# Altium PCB PCB_CAR.PcbDoc (part 2 of 3)
Units mil, origin at the board's own origin, x right, y up, seen from the top; angles counter-clockwise.
Board outline 3935 x 3900 mil, 4 copper layers (Top Layer, GND, PWR, Bottom Layer), stack 23.756 mil thick; 301 components, 202 nets, 1108 pads, 579 vias.
Unrouted connection lines stored in the file: 7.
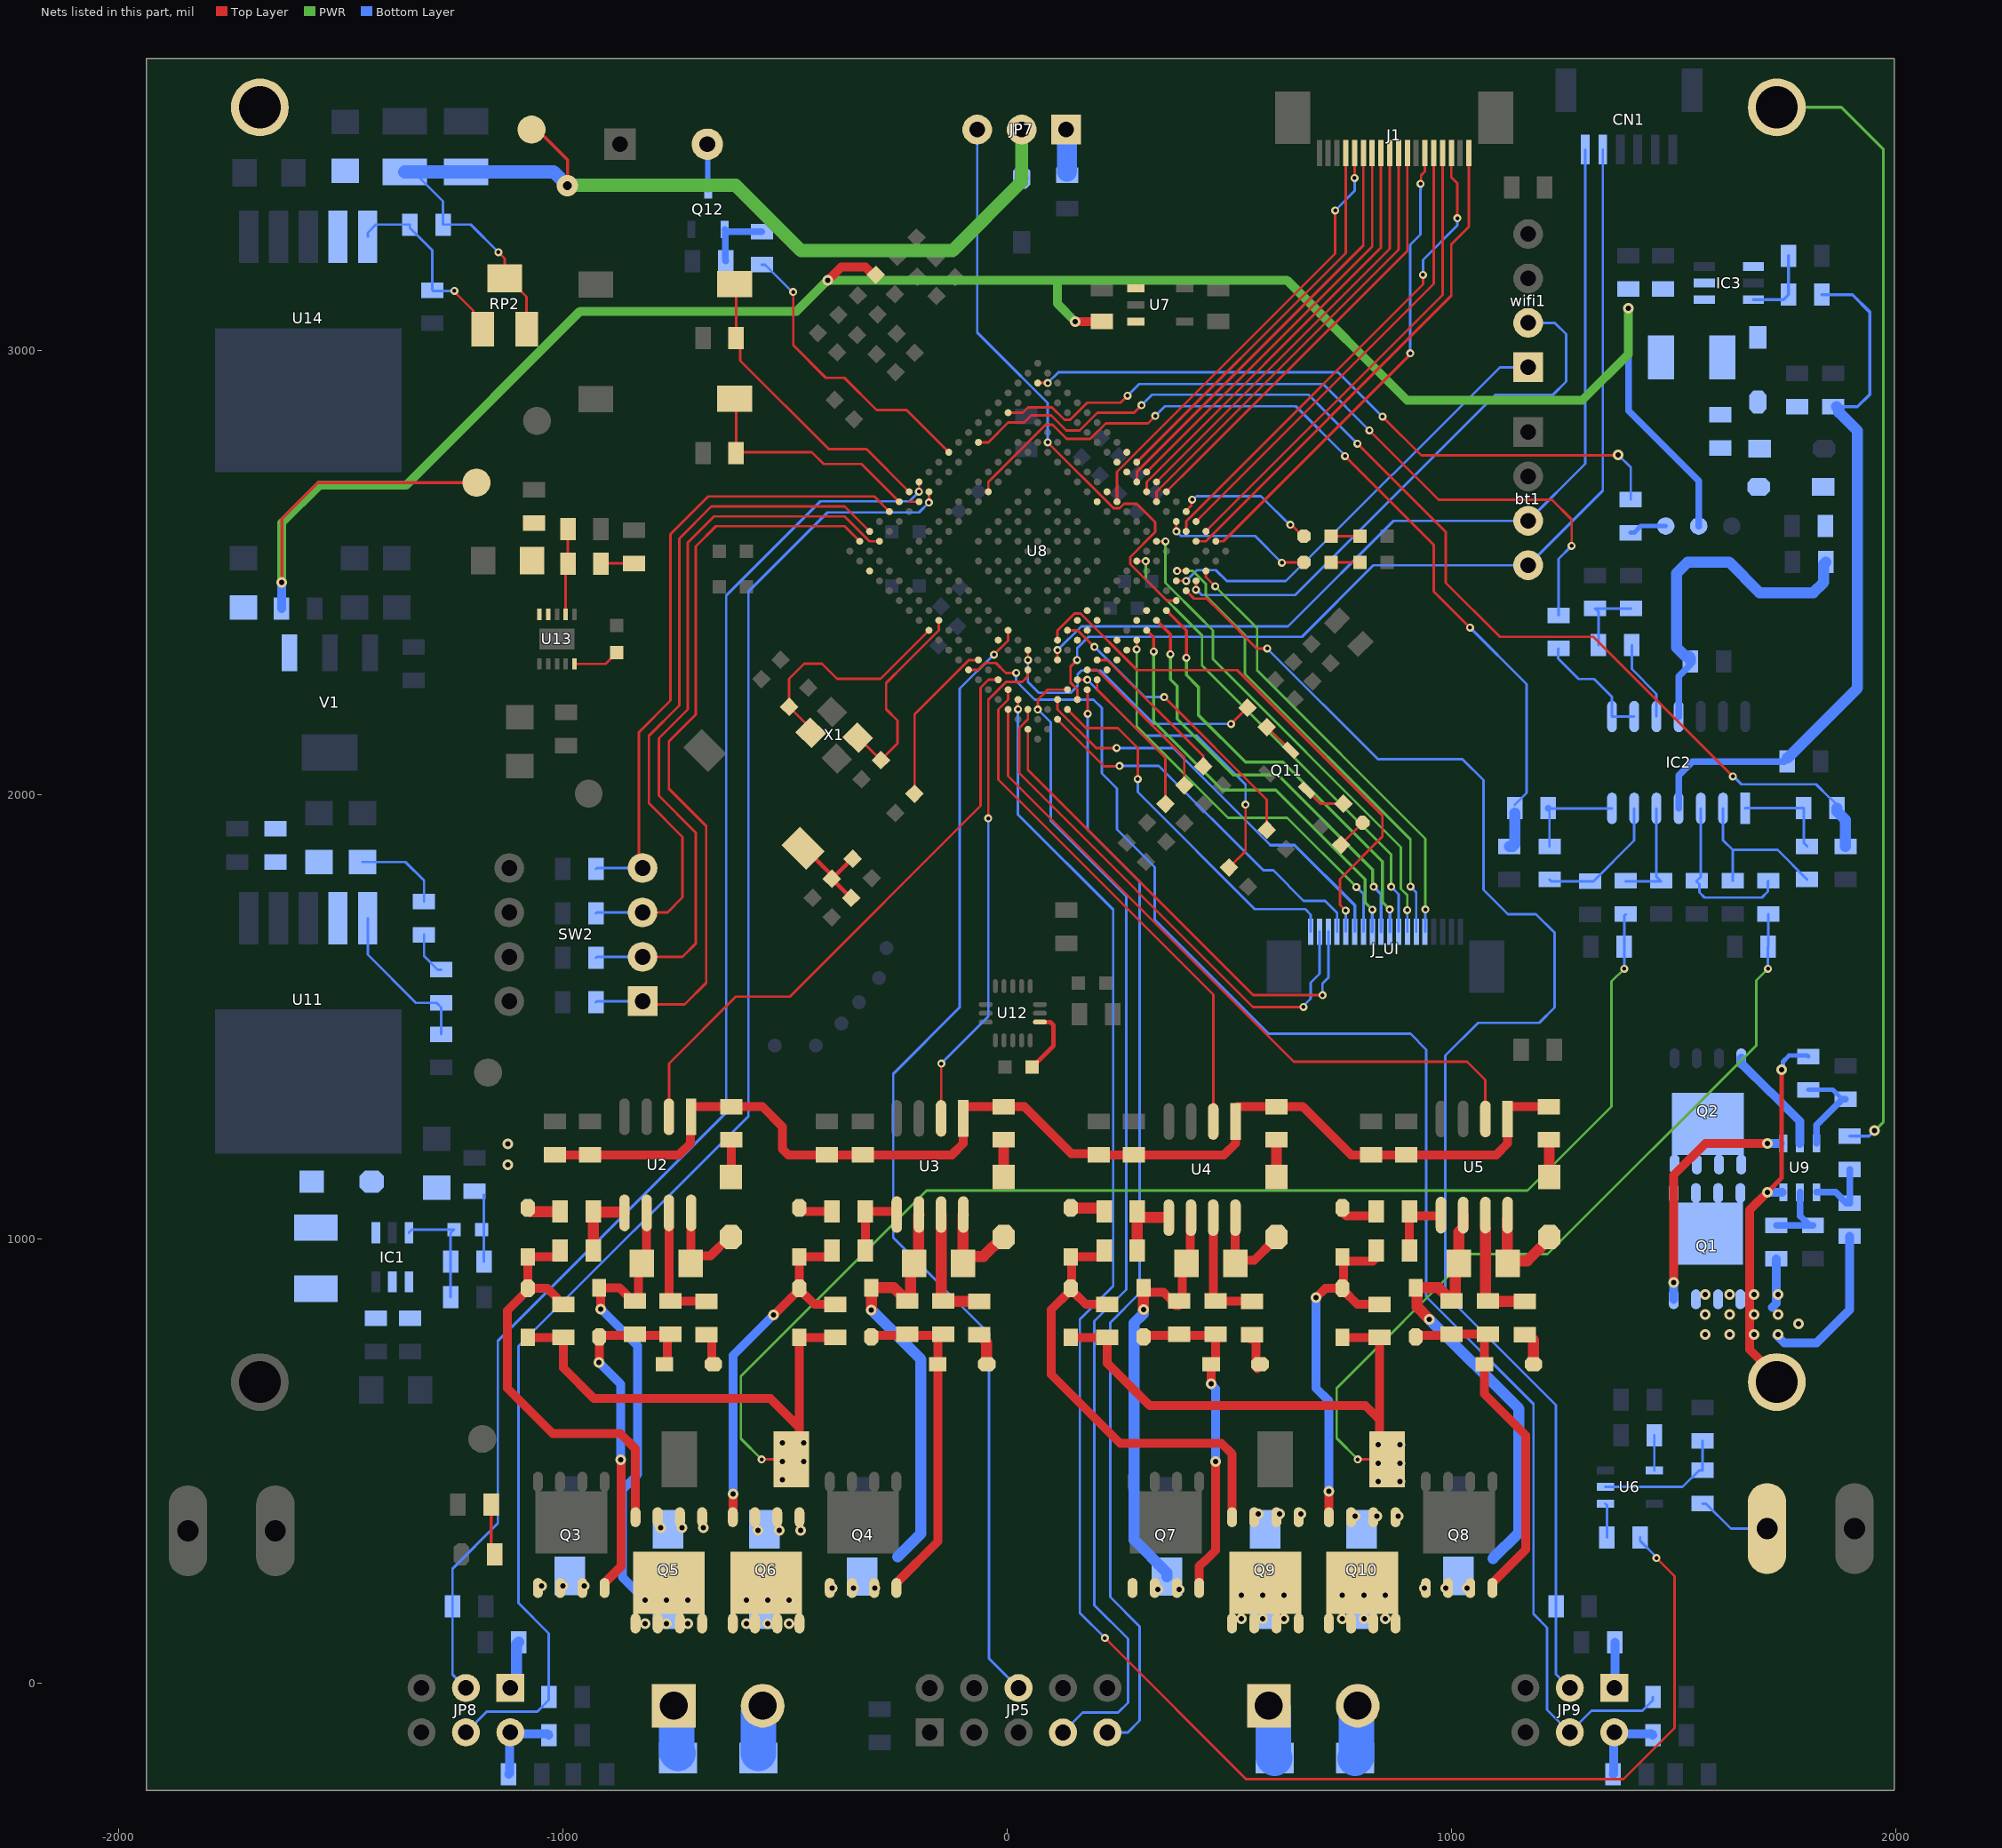
[diagram p4: the nets of this part, all layers, seen from the top]

## Via types
v1: diameter 24, hole 12, Top Layer to Bottom Layer, 415 vias
v2: diameter 18, hole 9, Top Layer to Bottom Layer, 163 vias
v3: diameter 48, hole 20, Top Layer to Bottom Layer, 1 vias

## Nets (pads, with @x,y where several pads share a name; then routed paths per layer and width w, separated by ;. In a path a pad name is that pad's centre, name@x,y a point inside that pad or via, vN(x,y) a via of type N, cw(c..) or ccw(c..) an arc to the next point about the centre after c; other vN are vias at no path point) (continued)
+5V: 5V.1 C35.1 C36.2 C37.2 C71.1 C72.1 IC3.4 IC3.5 L1.2 LB2.1 LB4.1 U7.1 U7.3 V1.1 | length 5177.3
  Top Layer w7: v1(-1633.58,2478.1) -1633.58,2621.66 -1552.34,2702.9 5V.1@-1195.34,2702.9
  Top Layer w20: v1(-404.72,3159.02) -403.64,3159.02 -374.51,3188.15 -319.37,3188.15 -301.9,3170.68 LB2.1@-296.44,3170.68 ; v1(152.73,3065.74) C35.1@212.07,3065.73
  PWR w20: v1(-1633.58,2478.1) -1633.58,2612.42 -1549,2697 -1354,2697 -962,3089 -474.75,3089 v1(-404.72,3159.02) 112.13,3159.02 ; v1(152.73,3065.74) 112.13,3106.34 112.13,3159.02 ; v1(1398.1,3095.45) 1398.1,2992.4 1294.03,2888.33 899.67,2888.33 628.98,3159.02 112.13,3159.02
  Bottom Layer w15: v1(1398.1,3095.45) 1398.1,2865.08 1556.21,2706.97 5V.1@1556.21,2605.38
  Bottom Layer w20: C37.2@-1633.88,2419.62 -1633.73,2419.77 -1633.73,2477.96 v1(-1633.58,2478.1)
+6V: 6V.1 C6.1 C7.2 C79.2 D28.2 JP7.2 RP2.2 RP2.3 RSL1.1 U14.4 | length 2407.3
  Top Layer w5.7: v2(-1145.97,3221.64) -1131.67,3207.34 RP2.2@-1131.67,3162.58 -1123.8,3162.58 -1082.46,3121.25 RP2.3@-1082.46,3048.41
  Top Layer w7: 6V.1@-1055.83,3495.23 -990.23,3429.63 v3(-990.23,3371.27)
  PWR w30: v3(-990.23,3371.27) -989.3,3372.2 -611.7,3372.2 -464.79,3225.28 -123.64,3225.28 32,3380.91 JP7.2@32,3498
  Bottom Layer w5.7: C7.2@-1337,3402.91 -1270.6,3336.51 RSL1.1@-1270.6,3284 -1208.32,3284 v2(-1145.97,3221.64)
  Bottom Layer w25: JP7.2@32,3498 32,3391.98 D28.2@35,3388.98
  Bottom Layer w30: C7.2@-1357,3402.91 -1337,3402.91 -1021.88,3402.91 v3(-990.23,3371.27)
+10V: C3.2 C12.1 C34.1 D3.2 IC2.4 R86.1 | length 1613.7
  Bottom Layer w7: R86.1@1833.31,3126.38 1902.1,3126.38 1940.9,3087.57 1940.9,2901.38 1913.5,2873.97 1866.81,2873.97 C34.1@1859.31,2873.97
  Bottom Layer w15: IC2.4@1511,1969.65 1511,2043.74 1542.22,2074.97 1747.96,2074.97 C3.2@1755.46,2082.47
  Bottom Layer w25: C3.2@1755.46,2082.47 1913.5,2240.5 1913.5,2819.79 1871.81,2861.47 1871.81,2868.97 C34.1@1866.81,2873.97
+15V: C18.2 C19.2 C20.2 C21.2 C24.2 C25.2 C26.2 C27.2 C28.1 C29.1 C30.1 D27.2 R13.1 R14.1 R27.1 R28.1 R43.1 U2.1 U3.1 U4.1 U5.1 | length 2920.3
  Top Layer w20: C18.2@-1019,1189.6 C19.2@-939.61,1189.6 -739.4,1189.6 -713.81,1215.19 -713.81,1273.46 U2.1@-712,1275.27 -712,1296.25 -710.19,1298.06 R13.1@-621.88,1298.06 -551.89,1298.06 -507,1253.18 -507,1203 -493.6,1189.6 C21.2@-407,1189.6 C20.2@-326,1189.6 -124.92,1189.6 -99.33,1215.19 U3.1@-99.33,1271.66 -99.33,1296.25 -97.52,1298.06 38.02,1298.06 143.95,1192.14 203.46,1192.14 C25.2@206,1189.6 C24.2@285,1189.6 487.75,1189.6 513.33,1215.19 U4.1@513.33,1264.66 513.33,1294.19 517.21,1298.06 R27.1@605.37,1298.06 664.94,1298.06 773.4,1189.6 C27.2@819,1189.6 C26.2@897.39,1189.6 1100.53,1189.6 1126,1215.07 U5.1@1126,1270.27 1126,1296.25 1127.81,1298.06 R28.1@1219,1298.06
  Bottom Layer w5.7: R43.1@-1178.65,949.03 C29.1@-1178.65,1099.68
  other v1: -1124.43,1167.13 -1124.52,1214.13
-10V: C8.1 C10.1 C73.2 D1.1 IC2.11 | length 777.6
  Bottom Layer w15: IC2.11@1511,2176.34 1511,2266.71 1537.55,2293.27 C73.2@1537.55,2300.77
  Bottom Layer w25: C73.2@1537.55,2300.77 1537.55,2308.27 1532.55,2313.27 1525.05,2313.27 1506.69,2331.63 1506.69,2499.06 1531.68,2524.05 1624.53,2524.05 1693.25,2455.32 1814.1,2455.32 1837.56,2478.78 1837.56,2519.05 C8.1@1842.56,2524.05
ADC_IN1: C74.2 R62.1 U8.T10 | length 2019.7
  Top Layer w5.7: U8.T10@-43.07,2682.32 -43.07,2704.42 85.91,2833.41 101.38,2833.41 133.56,2801.23 186.06,2801.23 221.6,2836.77 316.63,2836.77 v2(332.9,2853.03) ; v2(759.69,2762.87) 959.69,2562.87 959.69,2457.76 1040.68,2376.78 v2(1041.29,2376.78)
  Bottom Layer w5.7: v2(332.9,2853.03) 354.87,2875 649,2875 759.69,2764.31 v2(759.69,2762.87) ; v2(1041.29,2376.78) 1168.96,2249.12 1168.96,2004.46 R62.1@1142,1977.5
  Bottom Layer w25: C74.2@1130,1884.25 1137,1884.25 1142,1889.25 R62.1@1142,1958.99
ADC_IN2: C78.2 R74.1 U8.W8 | length 2556.5
  Top Layer w5.7: U8.W8@-65.34,2793.68 -43.07,2793.68 1.47,2838.22 37.34,2838.22 53.84,2854.72 98.52,2854.72 132.71,2820.53 162.86,2820.53 202.82,2860.49 285.1,2860.49 v2(301.74,2877.13) ; v2(788.11,2790.82) 987,2591.93 987,2477.48 1108.48,2356 1318.77,2356 v2(1633.03,2041.74)
  Bottom Layer w5.7: v2(301.74,2877.13) 325.61,2901 677.93,2901 v2(788.11,2790.82) ; v2(1633.03,2041.74) 1634.36,2041.74 1652.3,2023.8 1820.32,2023.8 1851.97,1992.15 1853.02,1992.15 1867.67,1977.5 R74.1@1867.67,1970
  Bottom Layer w25: R74.1@1867.67,1970 1867.67,1962.5 1886.71,1943.45 C78.2@1886.71,1884.25
ADC_IN3: R6.1 U8.W5 | length 1672.7
  Top Layer w5.7: U8.W5@1.47,2860.49 34.3,2860.49 46.57,2872.76 100.08,2872.76 128.19,2844.64 140.95,2844.64 179.43,2883.12 254.59,2883.12 v2(270.14,2898.68) ; v2(814.92,2820.53) 970.89,2664.57 1225.57,2664.57 1270.12,2620.01 v2(1270.12,2560.91)
  Bottom Layer w5.7: v2(270.14,2898.68) 296.47,2925 710.46,2925 v2(814.92,2820.53) ; R6.1@1240.97,2404.4 1240.97,2531.76 v2(1270.12,2560.91)
ADC_IN4: R88.2 U8.W2 | length 1507.3
  Top Layer w5.7: U8.W2@68.28,2927.31 v2(90.55,2927.31) ; v2(844.27,2851.69) 931.43,2764.54 1373.49,2764.54 v1(1374.73,2765.77)
  Bottom Layer w5.7: v2(90.55,2927.31) 115.03,2951.78 744.19,2951.78 v2(844.27,2851.69) ; v1(1374.73,2765.77) 1403.17,2737.33 R88.2@1403.17,2664.89
ATOM1_CH3_P10_3: JP7.3 U8.A6 | length 1350.6
  Top Layer w5.7: v2(90.55,2793.68) 238.9,2645.33 240.89,2645.33 252.55,2645.33 262.8,2655.58 291.12,2655.58 332.7,2614 332.7,2591.85 276.27,2535.42 276.27,2519.41 358.34,2437.34 U8.A6@380.08,2437.34
  Bottom Layer w5.7: JP7.3@-68,3498 -68,3041.06 -28,3001.06 90.42,2882.64 v2@90.42,2793.81
ATOM1_CH5_P20_9: U3.2 U8.E17 | length 1111.9
  Top Layer w5.7: U3.2@-149.33,1271.66 -149.17,1271.82 -149.17,1395.03 v2(-149.02,1395.19) ; v2(-43.08,1947.25) -43.08,2214.1 -2.99,2254.18 33.28,2254.18 46.01,2266.91 U8.E17@46.01,2281.44
  Bottom Layer w5.7: v2(-149.02,1395.19) -43.08,1501.13 v2(-43.08,1947.25)
ATOM1_CH7_P15_4: J_UI.18 U8.A17 | length 835.6
  Top Layer w5.7: U8.A17@135.1,2192.36 177.01,2150.45 248.27,2150.45 293.52,2105.2 v2(293.52,2035.8)
  Bottom Layer w5.7: v2(293.52,2035.8) 293.52,2006.02 556.63,1742.91 670.35,1742.91 682.7,1730.57 J_UI.18@682.7,1691.93
ATOM2_CH1_P20_13: U5.2 U8.D20 | length 1595.8
  Top Layer w5.7: U8.D20@1.47,2192.36 1.47,2066.86 1.47,2042.3 644.76,1399 1035,1399 1076,1358 U5.2@1076,1270.27
ATOM2_CH6_P20_10: U4.2 U8.E19 | length 1182
  Top Layer w5.7: U8.E19@1.47,2236.9 1.47,2214.63 -20.8,2192.36 -20.8,2034.46 463.33,1550.32 U4.2@463.33,1264.66
ATOM2_CH7_P20_7: U2.2 U8.F19 | length 1374.8
  Top Layer w5.7: U2.2@-762,1275.27 -762,1395 -611.34,1545.66 -489.82,1545.66 -60.32,1975.17 -60.32,2128.65 -60.32,2241.4 -42.54,2259.17 U8.F19@-20.8,2259.17
BAT_GND: C1.1 C2.1 Q1.1 Q1.2 Q1.3 R80.1 U9.6 U10.2 | length 1355.5
  Top Layer w10: v1(1710.74,1105.25) 1743,1137.52 v1(1743,1381)
  Top Layer w20: v1(1710.74,1105.25) 1671,1065.52 1671,751.22 1732,690.22 U10.2@1732,677.92
  Bottom Layer w10: v1(1743,1381) 1745.68,1383.68 1745.68,1399.37 1759.31,1413 1801.02,1413 R80.1@1803.11,1410.91
  Bottom Layer w20: v1(1710.74,1105.25) U9.6@1743.9,1105.25 ; 1722,846 1731.03,855.03 C1.1@1731.03,955.44 ; v1@1732,783 1749,766 1821.44,766 1896,840.56 C2.1@1896,1006.2
  other v1: 1571.25,784.6 1625.89,784.6 1680.53,784.6 1735.17,784.6 1781,809 1571.25,830.05 1625.89,830.05 1680.53,830.05 1735.17,830.05 1571.25,875.5 1625.89,875.5 1680.53,875.5 1735.17,875.5
GPT12_T2EUDB_P33_6: JP8.4 R82.1 U8.W13 | length 3467.2
  Top Layer w5.7: v2(-176.7,2658.35) U8.W13@-176.7,2680.62
  Bottom Layer w5.7: JP8.4@-1219,-110.83 -1172.17,-64 -1058.08,-64 -1032.4,-38.32 R82.1@-1032.4,-30.82 -1032.4,112.15 -1100.6,180.35 -1100.6,758.74 -583,1276.34 -583,2458 -405,2636 -199.05,2636 v2(-176.7,2658.35)
GPT12_T2INB_P33_7: JP8.3 R81.1 U8.Y13 | length 3278.8
  Top Layer w5.7: v2(-199.06,2682.5) -199.02,2682.54 -199.02,2702.85 U8.Y13@-198.97,2702.9
  Bottom Layer w5.7: JP8.3@-1219,-10.83 -1249.4,19.57 R81.1@-1249.4,173.38 -1249.4,257.6 -1147.17,359.83 -1147.17,770.61 -633,1284.78 -633,2449 -421.13,2660.87 -220.69,2660.87 v2(-199.06,2682.5)
GPT12_T6EUDA_P20_0: JP9.4 R84.1 U8.H20 | length 3513.6
  Top Layer w5.7: U8.H20@-87.61,2281.44 -65.87,2281.44 -50.5,2296.82 -26.03,2296.82 -3.72,2274.51 v2(19.65,2274.51)
  Bottom Layer w5.7: v2(19.65,2274.51) 19.65,2256.36 61.34,2214.67 193.45,2214.67 212.29,2195.83 212.29,2048.16 246.45,2014 246.45,1922.55 331.39,1837.61 331.39,1718.8 588.19,1462 907.5,1462 943,1426.5 943,869.92 1184.33,628.59 1184.33,155.9 1215,125.23 1215,-59.83 JP9.4@1266,-110.83 1314.61,-62.22 1429.25,-62.22 1453.14,-38.32 R84.1@1453.14,-30.82
GPT12_T6INB_P10_2: JP9.3 R83.1 U8.A5 | length 3291.7
  Top Layer w5.7: U8.A5@402.35,2459.61 419.99,2441.97 448.71,2441.97 479.46,2411.23 561.02,2329.66 v2(584.79,2329.66)
  Bottom Layer w5.7: v2(584.79,2329.66) 834.45,2080 1025,2080 1072,2033 1072,1786.35 1126.74,1731.6 1190,1731.6 1231.72,1689.89 1231.72,1521.27 1197.24,1486.79 1059.79,1486.79 986,1413 986,874.92 1234.76,626.17 R83.1@1234.76,173.38 1234.76,20.41 JP9.3@1266,-10.83
HREF: J1.5 U8.D1 | length 1051.6
  Top Layer w5.7: U8.D1@424.62,2615.51 959.69,3150.58 J1.5@959.69,3445.47
NetADC_1: ADC.1 R88.1 | length 85.2
  Bottom Layer w10: R88.1@1403.17,2590.09 1410.67,2590.09 1425.96,2605.38 ADC.1@1482,2605.38
NetC1_2: C1.2 R2.1 U9.5 | length 173.9
  Bottom Layer w15: C1.2@1731.03,1030.25 R2.1@1813.37,1030.25 1805.87,1030.25 1784.04,1052.09 U9.5@1784.04,1105.25
NetC2_2: C2.2 R9.1 U9.4 | length 160.6
  Bottom Layer w15: U9.4@1821.44,1105.25 1864.25,1105.25 1888.5,1081 C2.2@1896,1081 R9.1@1896,1157
NetC11_1: C11.1 D1.2 D2.1
NetC11_2: C11.2 D3.1 IC3.1 L1.1
NetC13_2: C13.2 C14.2 LB4.2 RSH1.1 U11.4 | length 202.8
  Bottom Layer w5.7: C14.2@-1451.77,1848.77 -1355.13,1848.77 -1313.42,1807.06 RSH1.1@-1313.42,1759.93
NetC16_1: C16.1 D6.1 D11.2 D13.2 DZ1.1 JP3.1 Q3.1 Q3.2 Q3.3 Q5.5 Q5.6 Q5.7 Q5.8 Q5.9 R17.1 U2.6 | length 1178.2
  Top Layer w20: v1(-915.32,841.83) -916.08,842.59 -916.08,887.2 DZ1.1@-919,890.12 -873.25,890.12 -854,870.87 -854,867.9 -846.5,860.4 R17.1@-839,860.4 ; R17.1@-831.06,867.9 -831.06,936.84 C16.1@-823.12,944.79 -812.69,955.21 -812.69,1058.04 U2.6@-812,1058.73
  Bottom Layer w20: v1(-915.32,841.83) -914.94,841.83 -832.76,759.65 -832.76,469.54 -867.16,435.14 -867.16,238.75 v1(-815.67,187.25)
  Bottom Layer w80: JP3.1@-751,-50.83 -744.86,-56.97 -744.86,-154.69 D11.2@-741.55,-158
  other v1: -815.67,133.76 -767.52,133.76 -719.37,133.76 -767.52,187.25 -719.37,187.25 -1048.63,218.67 -1000.48,218.67 -952.33,218.67
NetC16_2: C16.2 D7.2 U2.8 | length 227.5
  Top Layer w20: C16.2@-712.89,944.78 -712.89,948.28 C16.2@-712.44,948.73 ; U2.8@-712,1058.73 -712.44,1058.29 C16.2@-712.44,948.73 ; D7.2@-622.29,1004.37 -626.44,1004.37 -668.99,961.82 -699.35,961.82 C16.2@-712.44,948.73
NetC17_1: C17.1 D5.1 D11.1 D12.2 DZ2.1 JP3.2 Q4.1 Q4.2 Q4.3 Q6.5 Q6.6 Q6.7 Q6.8 Q6.9 R18.1 U3.6 | length 1096
  Top Layer w25: v1(-306.47,840.33) -306.33,840.47 DZ2.1@-306.33,890.12 -255.72,890.12 -238.5,872.9 -238.5,865.4 -233.5,860.4 R18.1@-226,860.4 R18.1@-218.52,867.89 ; R18.1@-226,865.4 R18.1@-226,872.9 ; R18.1@-218.52,865.4 R18.1@-218.52,867.89 ; U3.6@-199.33,1055.13 -200.02,1054.44 -200.02,954.88 C17.1@-210.12,944.79 -218.52,936.39 R18.1@-218.52,867.89
  Bottom Layer w25: v1@-305.82,839.67 -195,728.85 -195,336.87 -247,284.86
  Bottom Layer w80: D11.1@-560.45,-158 -560.45,-65.26 -551,-55.82 JP3.2@-551,-50.83
  other v1: -588.12,133.76 -539.97,133.76 -491.82,133.76 -588.12,187.25 -539.97,187.25 -491.82,187.25 -394.69,214.08 -346.55,214.08 -298.4,214.08
NetC17_2: C17.2 D8.2 U3.8 | length 225.1
  Top Layer w25: C17.2@-99.89,944.78 -99.89,948.28 C17.2@-99.61,948.56 ; U3.8@-99.33,1055.13 -99.61,1054.85 C17.2@-99.61,948.56 ; D8.2@-8.2,1004.37 -10.87,1004.37 -54.41,960.84 -87.33,960.84 C17.2@-99.61,948.56
NetC22_1: C22.1 D17.1 D22.2 D24.2 DZ5.1 JP4.1 Q7.1 Q7.2 Q7.3 Q9.5 Q9.6 Q9.7 Q9.8 Q9.9 R31.1 U4.6 | length 1105.4
  Top Layer w20: DZ5.1@306.33,880.2 351.39,880.2 370.64,860.96 370.64,857.99 378.14,850.49 R31.1@385.64,850.49 ; R31.1@393.58,857.99 393.58,926.93 411.95,945.3 411.95,1048.13 U4.6@412.64,1048.82
  Top Layer w25: DZ5.1@306.33,890.12 306.33,880.2 306.33,840.96 v1(306.49,840.8)
  Bottom Layer w25: v1(306.49,840.8) 306.49,832.06 285.06,810.62 285.06,322.7 359,248.76 D17.1@359,239.9
  Bottom Layer w80: JP4.1@588.55,-50.83 598.14,-60.42 598.14,-165.69 D22.2@601.45,-169
  other v1: 526.48,144.83 574.63,144.83 622.78,144.83 526.48,198.32 574.63,198.32 622.78,198.32 338.75,210.77 386.9,210.77
NetC22_2: C22.2 D18.2 U4.8 | length 227.5
  Top Layer w20: C22.2@511.76,934.87 511.76,938.37 C22.2@512.2,938.81 ; U4.8@512.64,1048.82 512.2,1048.38 C22.2@512.2,938.81 ; D18.2@602.35,994.45 598.2,994.45 555.65,951.9 525.29,951.9 C22.2@512.2,938.81
NetC23_1: C23.1 D16.1 D22.1 D23.2 DZ6.1 JP4.2 Q8.1 Q8.2 Q8.3 Q10.5 Q10.6 Q10.7 Q10.8 Q10.9 R32.1 U5.6 | length 1154
  Top Layer w25: v1(949.53,819.42) 922.25,846.69 922.25,882.93 919,886.18 DZ6.1@919,890.12 970.28,890.12 987.5,872.9 987.5,865.4 992.5,860.4 1002.97,860.4 1007.97,865.4 1007.97,936.88 C23.1@1015.88,944.79 1015.88,1015.46 1026,1025.58 U5.6@1026,1053.73
  Bottom Layer w25: v1(949.53,819.42) 1151.35,617.59 1151.35,338.93 1093.09,280.67
  Bottom Layer w80: D22.1@782.55,-169 785.55,-166 785.55,-53.83 JP4.2@788.55,-50.83
  other v1: 754.03,144.83 802.18,144.83 850.33,144.83 754.03,198.32 802.18,198.32 850.33,198.32 938.53,213.91 986.68,213.91 1034.83,213.91
NetC23_2: C23.2 D19.2 U5.8 | length 225.1
  Top Layer w25: C23.2@1124.76,934.87 1124.76,938.37 C23.2@1125.03,938.65 ; U5.8@1125.31,1045.21 1125.03,1044.94 C23.2@1125.03,938.65 ; D19.2@1216.44,994.45 1213.77,994.45 1170.24,950.92 1137.31,950.92 C23.2@1125.03,938.65
NetC30_2: C30.2 IC1.3 R43.2 R44.1 | length 260.7
  Bottom Layer w5.7: IC1.3@-1347.22,1014.09 -1347.22,1014.83 -1340.88,1021.17 C30.2@-1245.43,1021.17 -1253.45,1013.15 R43.2@-1253.45,949.03 R44.1@-1253.46,868.97
NetC32_1: C32.1 IC1.4 IC1.5 L2.2 L3.2
NetC41_1: C41.1 U8.M20 X1.1 | length 529.7
  Top Layer w5.7: X1.1@-442.56,2139.94 -442.56,2149.27 C41.1@-491.36,2198.08 -491.36,2261.64 -457.55,2295.45 -417.62,2295.45 -383.8,2261.64 -285.59,2261.64 U8.M20@-176.7,2370.53
NetC51_1: C51.1 U8.M19 X1.3 | length 462.6
  Top Layer w5.7: X1.3@-336.77,2128.8 -335.57,2128.8 C51.1@-285.05,2078.28 -247.33,2116 -247.33,2167.27 -273.09,2193.03 -273.09,2251.87 -228.31,2296.64 -154.43,2370.53 U8.M19@-154.43,2392.8
NetC65_2: C65.2 U12.14 | length 147.7
  Top Layer w10: C65.2@55.58,1387 103.51,1434.93 103.51,1481.43 96.51,1488.43 73.23,1488.43 U12.14@73.03,1488.63
NetC68_1: C68.1 L5.1 U13.9 U13.10
NetC69_1: C69.1 R90.1 U13.7 | length 194.6
  Top Layer w5.7: U13.7@-994.41,2406.17 -994.41,2515.25 R90.1@-989.53,2520.13 C69.1@-989.53,2598.73
NetC70_2: C70.2 D12.1 D13.1 DZ3.1 DZ4.1 Q5.1 Q5.2 Q5.3 Q6.1 Q6.2 Q6.3 R21.1 R22.1 R57.2 R63.2 | length 4031.4
  Top Layer w5.7: v2(-553.45,504) R63.2@-487.02,504
  Top Layer w20: DZ3.1@-1079.7,778.88 -1079.3,778.49 -1000.39,778.49 R21.1@-1000,778.1 -1000,709.8 -930.77,640.58 -533.86,640.58 -468.81,575.53 -468.81,522.2 R63.2@-487.02,504 ; -468.46,575.53 DZ4.1@-468.46,778.88 -468.07,778.49 -387.92,778.49 R22.1@-387.53,778.1
  PWR w5.7: v2(-553.45,504) -600,550.55 -600,691 -182,1109 1171,1109 1360,1298 1360,1579.94 v2(1388.63,1608.57)
  Bottom Layer w5.7: v2@1388.63,1605.95 v2(1388.63,1608.57) 1388.63,1657.41 1389.04,1657.82 1389.04,1728.26 R57.2@1391.54,1730.76
  other v1: -561.82,344.42 -513.67,344.42 -465.53,344.42 -780.59,350.03 -732.44,350.03 -684.3,350.03 -507.1,457.81 -507.1,499.31 -458.95,499.31 -507.1,540.8 -458.95,540.8
NetC75_2: C75.2 D23.1 D24.1 DZ7.1 DZ8.1 Q9.1 Q9.2 Q9.3 Q10.1 Q10.2 Q10.3 R35.1 R36.1 R71.2 R75.2 | length 2991.1
  Top Layer w5.7: v2(788.55,504) R75.2@854.98,504
  Top Layer w20: DZ7.1@142.77,778.88 143.16,778.49 224.54,778.49 R35.1@224.93,778.1 224.93,720.26 320.16,625.03 805.44,625.03 837.4,593.07 ; DZ8.1@754,778.88 754.39,778.49 837.01,778.49 R36.1@837.4,778.1 837.4,593.07 ; R75.2@854.98,504 837.4,521.58 837.4,593.07
  PWR w5.7: v2(788.55,504) 741,551.55 741,664 1043,966 1216,966 1685.83,1435.83 1685.83,1582.39 v2(1712.01,1608.57)
  Bottom Layer w5.7: v2@1712.01,1605.72 v2(1712.01,1608.57) 1712.01,1656.82 1713,1657.82 R71.2@1713,1731.6
  other v1: 783.09,375.72 831.24,375.72 879.39,375.72 564.32,381.34 612.47,381.34 660.62,381.34 835.12,453.82 883.26,453.82 835.12,495.31 883.26,495.31 835.12,536.81 883.26,536.81